# Allegro board ZDRK-36-DE3-A02-20190729.brd (continued)
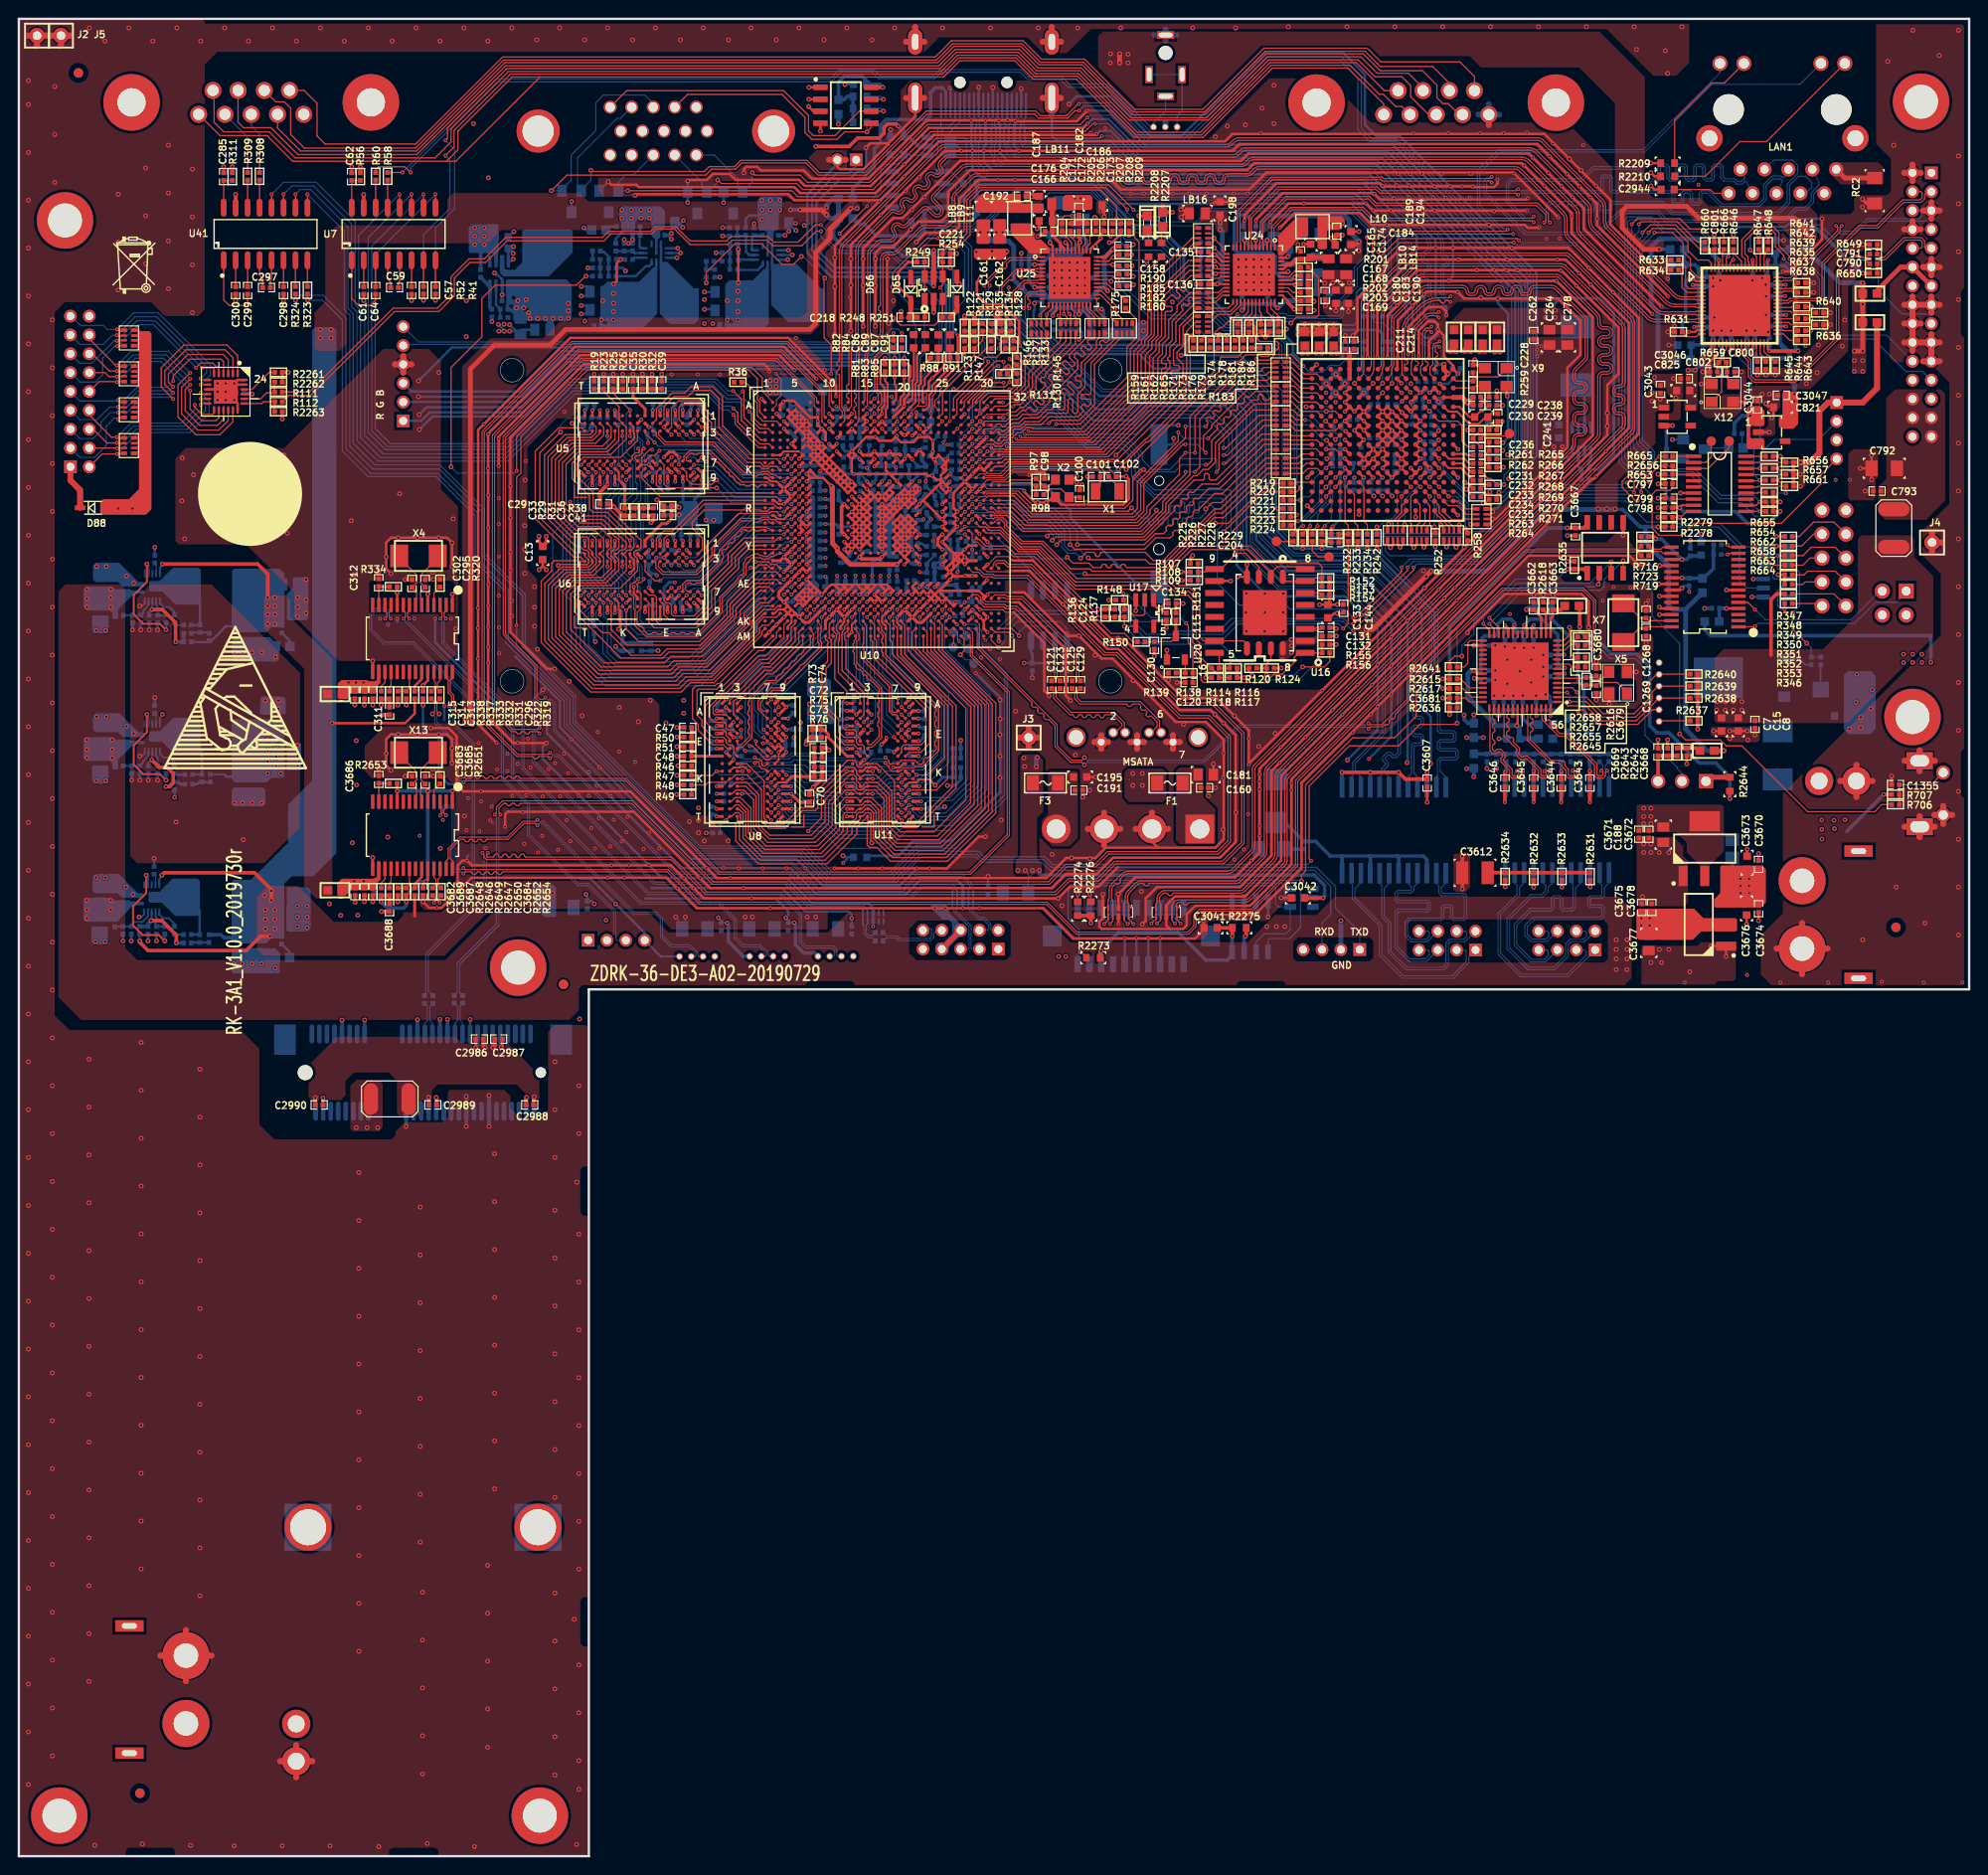
[diagram p0: board, top side]
## Routing (per net, layer and track width the routed paths; a pad name or vN(x,y) marks a point on that pad's centre or on a via; arc(x,y) is an arc through that point) (continued)
GND_EARTH: length 4.5
  TOP w0.508: J115.10 193.82,178.1 RC2.1
VBUS_DET: length 25.8
  TOP w0.127: U1.14 163.96,129.01 164.59,129.64 v2(164.59,130.4)
  BOTTOM w0.127: JP1.2 176.53,114.91 176.02,115.42 176.02,115.54 172.59,118.97 172.59,126.09 171.58,127.1 168.91,127.1 167.26,128.75 166.24,128.75 v2(164.59,130.4)
VCC33_P: length 7.9
  TOP w0.508: LB126.2 197.23,166.14 199.74,168.65 JE1.12 JE1.13
VDD12A: length 16.6
  TOP w0.254: U1.53 v1(161.08,121.02) ; U1.45 v1(157.08,121.02) ; U1.48 v1(158.58,121.02) ; U1.56 v1(162.58,121.02)
  L3-SIG w0.381: v1(157.08,121.02) v1(158.58,121.02) 159.46,121.89 160.78,121.89 161.08,121.59 v1(161.08,121.02)
  BOTTOM w0.305: C3647.2 161.04,121.07 v1(161.08,121.02) ; v1(158.58,121.02) 158.62,121.06 C3649.2
  BOTTOM w0.381: C1319.2 162.56,121.04 v1(162.58,121.02) ; C1319.2 C3647.2 ; C1319.2 163.6,121.62 LB133.2 ; C3649.2 C3648.2 157.61,121.4 157.23,121.02 v1(157.08,121.02) 156.97,121.02 156.59,121.4 C3650.2
VDD12CORE: length 43.1
  TOP w0.203: U1.8 164,126.01 v1(164.11,126.11) ; U1.11 v1(164.03,127.51)
  TOP w0.254: v1(158.75,130.66) 158.58,130.49 U1.23 ; v1(159.77,130.66) 160.08,130.34 U1.20 ; U1.36 154.76,125.51 v2(154.43,125.83) ; U1.30 v2(154.44,128.51) ; U1.49 159.08,120.07 v2(159,119.99)
  BOTTOM w0.381: C3658.2 164.01,127.48 v1(164.03,127.51) ; C3658.2 163.35,129.62 161.67,131.29 160.4,131.29 v1(159.77,130.66) C3655.2 C3660.2 v1(158.75,130.66) 158.75,130.91 158.37,131.29 157.48,131.29 156.97,130.78 156.97,129.77 156.72,129.51 155.57,129.51 155.27,129.21 C3656.2 ; C3658.2 C3659.2 164.01,126.21 v1(164.11,126.11) ; v2(154.44,128.51) 154.45,128.5 C3656.2 ; v2(154.43,125.83) C3657.2 155.17,127 155.27,127.1 C3656.2
  BOTTOM w0.508: v2(154.43,125.83) 154.18,125.83 153.8,125.45 153.8,123.04 156.84,119.99 v2(159,119.99) 159.26,119.74 159.26,118.66 C3664.2 LB135.2
VDD12PLL: length 3.6
  TOP w0.254: U1.50 v1(159.58,121.02)
  BOTTOM w0.305: C3661.2 159.58,121.56 v1(159.58,121.02)
  BOTTOM w0.381: LB138.1 160.27,120.12 159.58,120.81 v1(159.58,121.02)
VDD12USBPLL: length 4.8
  TOP w0.254: U1.17 161.58,131.48 C3662.2
  TOP w0.381: C3662.2 160.05,132.28 v2(160.02,132.31)
  BOTTOM w0.381: LB136.2 160.27,132.56 v2(160.02,132.31)
VDD33A: length 4.1
  TOP w0.254: C3663.2 162.81,131.55 162.58,131.32 U1.15
  TOP w0.381: C3663.2 163.68,132.28 LB137.1
VDDVARIO: length 87.6
  TOP w0.254: v1(160.78,130.66) 160.58,130.46 U1.19 ; U1.24 158.08,130.31 v1(157.73,130.66) ; U1.37 v2(154.49,125.01) ; U1.7 v1(164.08,125.51)
  TOP w0.381: U1494.8 166.47,141.35 166.09,140.97 C3667.2 v2(164.34,140.97) ; R2640.2 R2639.2 R2638.2 R2637.2 v2(178.21,119.61) ; R2636.2 v2(151.87,121.16)
  L3-SIG w0.381: v2(178.21,119.61) 177.7,120.12 176.28,120.12 175.56,119.41 173.05,119.41 171.45,121.01 167.51,121.01 166.37,122.15 166.37,124.31 165.61,125.07 164.52,125.07 v1(164.08,125.51) ; 163.07,125.89 163.07,129.39 161.8,130.66 v1(160.78,130.66) 160.02,129.9 158.37,129.9 157.73,130.53 v1(157.73,130.66) 155.32,128.24 155.32,125.83 v2(154.49,125.01) 153.42,123.93 153.42,122.15 v2(154.43,121.13) 151.89,121.13 v2(151.87,121.16)
  BOTTOM w0.254: C3654.2 154.68,124.82 v2(154.49,125.01)
  BOTTOM w0.305: C3651.2 v1(157.73,130.66) ; C3652.2 v1(160.78,130.66)
  BOTTOM w0.381: v2(154.43,121.13) LB134.2 153.8,120.24 153.42,120.62 v2(153.42,121.11) ; v2(151.87,121.16) 151.87,130.53 162.31,140.97 v2(164.34,140.97) ; C3653.2 163.78,125.2 v1(164.08,125.51)
AC0_MICBIAS1: length 2.5
  TOP w0.203: U10.D19 v1(94.01,152.29)
  BOTTOM w0.102: v1(94.01,152.29) 93.59,151.87 93.01,151.87 92.76,151.61 92.61,151.61 C391.1
AC0_MICBIAS2: length 1.5
  TOP w0.203: U10.C19 v1(94.01,153.09)
  BOTTOM w0.254: v1(94.01,153.09) 94.11,153.19 C388.1
AC0_VREF: length 3.9
  TOP w0.305: U10.D21 v1(95.61,151.49)
  BOTTOM w0.254: C368.1 96.8,152.23 96.8,151.21 96.39,150.8 96.15,150.8 ; 96.15,150.8 96.15,150.96 v1(95.61,151.49) ; 96.15,150.8 96.15,150.36 C374.1
AUX+: length 26.6
  TOP w0.114: U66.26 183.24,159.97 183.17,159.9 183.17,159.45 183.85,158.78 183.85,157.12 184.27,156.69 188.45,156.69 192.91,161.16 192.91,168.22 193.53,168.84 193.53,169 193.51,169.02 193.51,169.18 193.68,169.34 193.84,169.34 193.86,169.32 194.02,169.32 194.35,169.66 194.73,169.66 194.85,169.77 194.85,169.79 194.96,169.9 195.19,169.9 195.3,169.79 195.3,169.77 195.42,169.66 196.08,169.66 C791.1
AUX-: length 26.6
  TOP w0.114: C790.2 196.06,169.39 194.46,169.39 193.18,168.11 193.18,161.05 188.56,156.43 184.16,156.43 183.58,157.01 183.58,158.67 182.9,159.34 182.9,159.9 182.84,159.97 U66.25
BACK1: length 2.1
  TOP w0.127: U1492.20 183.33,148.56 R655.2
BACK2: length 4.2
  TOP w0.127: R656.2 187.54,147.92 U1492.19
BACK3: length 4.2
  TOP w0.127: R657.2 187.51,146.62 U1492.17
BACK4: length 2.1
  TOP w0.127: U1492.14 184.57,144.67 184.66,144.75 R658.2
BOOT_SEL0: length 2.1
  TOP w0.127: U10.J27 v1(100.41,148.29)
  BOTTOM w0.102: R387.2 R386.2 100.15,148.03 v1(100.41,148.29)
BOOT_SEL1: length 29.7
  TOP w0.127: R162.2 R161.2 R159.2 124.33,159.77 124.33,155.93 116.64,148.23 104.65,148.23 104.31,147.89 U10.J32
BOOTROM_SEL: length 38.8
  TOP w0.127: v2(116.71,147.17) 119.63,150.09 119.89,150.09 127.51,157.71 127.51,158.98 127.63,159.11 129.39,159.11 129.97,159.69 R176.2 R179.2 R183.1 ; v1(100.41,146.69) 100.01,146.29 U10.L27
  BOTTOM w0.127: v2(116.71,147.17) 116.59,147.04 103,147.04 102.23,146.28 100.83,146.28 v1(100.41,146.69)
CORE_FB: length 2.7
  BOTTOM w0.254: R66.2 R70.1 R71.1 R67.2
CPU_FB: length 3.2
  BOTTOM w0.254: R53.1 61.79,170.27 62.09,170.27 62.6,169.77 R42.2 R43.1 R44.2
CVBS_OUT: length 47.5
  TOP w0.203: v1(93.22,152.25) 93.17,152.25 U10.D18
  BOTTOM w0.203: v1(93.22,152.25) 93.22,152.63 92.84,153.01 R396.1 93.12,153.37 93.32,153.57 93.32,154.41 94.01,155.09 95.88,155.09 98.81,158.01 98.81,166.98 97.71,168.07 86.54,168.07 84.2,170.41 84.2,176 86.84,178.64 88.11,178.64 88.87,179.4 J135.1
DDC_SCL_A: length 15.7
  BOTTOM w0.114: J49.15 99.89,184.06 98.86,183.04 U75.1
  BOTTOM w0.127: U58.6 99.06,177.52 99.44,177.14 99.44,176.38 99.95,175.87 R1121.2 100.97,176.61 100.97,178.41 100.58,178.79 100.58,182.22 100.4,182.41 U75.1
DDC_SCL_B: length 33.4
  TOP w0.127: R2276.2 113.79,101.96 v2(113.66,102.08)
  BOTTOM w0.127: J130.17 113.63,102.05 v2(113.66,102.08) 114.58,103 133.07,103 133.4,102.67 133.4,101.07 133.72,100.75 U108.1 134.94,98.34 134.49,97.89 132.21,97.89 131.32,97 U107.6
DDC_SDA_A: length 11.8
  BOTTOM w0.127: R1120.2 98.96,178.79 U58.5 98.08,179.31 98.86,180.09 U75.3 98.03,180.51 97.92,180.62 97.92,183.11 98.17,183.36 98.55,183.36 99.39,184.2 J49.16
DDC_SDA_B: length 35.9
  TOP w0.127: R2274.2 v2(112.4,102.08)
  BOTTOM w0.127: U107.5 132.59,97.26 132.72,97.38 134.87,97.38 136.04,98.55 136.04,102.52 135.92,102.65 U108.3 134.66,102.65 134.04,103.28 113.59,103.28 v2(112.4,102.08) 112.38,102.07 J130.19
DDC_VGA_SCL: length 35.6
  TOP w0.127: CN3.15 64.52,187.38 81.18,187.38 83.82,184.73 83.82,183.11 84.33,182.6 86.61,182.6 89.2,185.19 U27.6 v2(91.77,185.19)
  BOTTOM w0.127: R160.2 91.47,185.5 v2(91.77,185.19)
DDC_VGA_SDA: length 26.3
  TOP w0.127: CN3.12 70.97,186.97 81,186.97 83.44,184.53 83.44,182.93 84.15,182.22 86.87,182.22 87.66,183.01 v2(90.02,183.01) 90.48,183.47 U27.5
  BOTTOM w0.127: R2212.2 v2(90.02,183.01)
DDR0_A0: length 46.8
  TOP w0.127: U10.Y6 v1(82.81,138.69) ; v1(62.47,136.89) U6.N3 ; v1(62.47,150.73) U5.N3
  BOTTOM w0.127: v1(82.81,138.69) 82.41,138.29 80.45,138.29 74.42,132.25 74.42,131.53 72.52,129.63 65.74,129.63 64.08,131.29 64.08,132.17 63.6,132.64 63.6,133.33 63.28,133.66 63.28,135.02 62.47,135.83 v1(62.47,136.89) 62.47,138.99 62.86,139.39 62.86,140.05 62.65,140.26 62.65,143.73 64.08,145.16 64.08,146.01 63.73,146.36 63.73,147.05 63.28,147.5 63.28,148.13 62.47,148.93 v1(62.47,150.73)
DDR0_A1: length 49.9
  TOP w0.127: v1(61.27,133.82) U6.P7 ; v1(61.27,147.66) U5.P7 ; U10.AC5 v1(82.01,136.29)
  BOTTOM w0.127: v1(61.27,147.66) 61.66,147.27 61.66,146.58 60.96,145.88 60.69,145.88 60.47,145.65 60.47,141.29 59.27,140.08 59.27,136.38 61.27,134.37 v1(61.27,133.82) 61.27,133.58 61.68,133.17 61.68,132.52 61.26,132.1 61.26,131.44 61.99,130.72 61.99,127.68 63.32,126.35 71.39,126.35 75.94,130.9 75.94,131.59 81.03,136.68 81.4,136.68 81.78,136.29 v1(82.01,136.29)
DDR0_A2: length 60.3
  TOP w0.127: U10.AJ1 79.06,131.89 78.11,130.94 78.11,130.16 73.45,125.5 70.51,125.5 69.7,124.69 61.17,124.69 56.59,129.28 56.59,134.56 56.61,134.57 56.61,134.75 58.11,136.25 60.78,136.25 61.67,137.14 U6.P3 61.67,137.69 61.26,138.09 61.26,139.81 60.71,140.36 58.91,140.36 56.56,142.71 56.56,148.36 58.46,150.27 60.91,150.27 61.67,151.03 U5.P3
DDR0_A3: length 62.6
  TOP w0.127: U10.AH2 78.92,132.69 77.57,131.34 77.57,130.74 73.05,126.21 70.05,126.21 69.29,125.46 61.49,125.46 57.35,129.59 57.35,134.42 58.63,135.69 61.85,135.69 62.86,136.71 62.86,137.58 62.47,137.98 U6.N2 62.47,138.49 62.86,138.88 62.86,139.86 61.62,141.1 59.34,141.1 57.32,143.11 57.32,148.04 58.94,149.66 61.96,149.66 62.86,150.56 62.86,151.67 U5.N2
DDR0_A4: length 48.7
  TOP w0.127: U10.AB6 v1(82.81,137.09) ; v1(62.07,146.86) 61.67,147.26 U5.P8 ; v1(62.07,133.02) U6.P8
  BOTTOM w0.127: v1(82.81,137.09) 82.41,136.69 81.81,136.69 81.52,136.97 80.78,136.97 75.56,131.76 75.56,131.06 71.26,126.75 63.48,126.75 62.46,127.77 62.46,131.17 62.06,131.57 62.06,133.01 v1(62.07,133.02) 62.07,133.2 61.68,133.59 61.68,134.51 59.65,136.54 59.65,139.92 60.95,141.22 60.95,144.89 61.28,145.22 61.28,145.76 62.07,146.55 v1(62.07,146.86)
DDR0_A5: length 62.9
  TOP w0.127: U5.P2 62.08,151.66 62.08,150.8 61.24,149.96 58.69,149.96 56.94,148.21 56.94,142.9 59.12,140.72 61.14,140.72 62.08,139.78 62.08,138.63 U6.P2 62.08,137.81 62.08,137.01 61.04,135.97 58.37,135.97 56.97,134.58 56.97,129.43 61.33,125.07 69.52,125.07 70.33,125.88 73.33,125.88 77.85,130.41 77.85,131.09 79.06,132.3 80.18,132.3 80.57,132.69 U10.AH3
DDR0_A6: length 48.7
  TOP w0.127: v1(61.27,146.86) 60.87,147.26 U5.R8 ; U10.AD4 v1(81.21,135.49) ; v1(61.27,133.02) U6.R8
  BOTTOM w0.127: v1(61.27,146.86) 61.27,146.7 60.76,146.19 60.5,146.19 60.09,145.78 60.09,141.44 58.88,140.24 58.88,136.21 60.86,134.23 60.86,133.56 61.27,133.16 v1(61.27,133.02) 61.27,132.73 60.48,131.93 60.48,128.54 63.07,125.95 71.53,125.95 76.32,130.74 76.32,131.47 80.35,135.49 v1(81.21,135.49)
DDR0_A7: length 63.7
  TOP w0.127: U5.R2 61.28,151.66 61.28,151.08 60.76,150.57 58.23,150.57 56.18,148.52 56.18,142.5 58.67,140 60.25,140 60.48,139.78 60.48,138.82 60.87,138.42 U6.R2 60.87,138.04 61.28,137.63 61.28,137.19 60.62,136.53 57.85,136.53 56.21,134.89 56.21,129.12 61.01,124.31 69.95,124.31 70.78,125.15 73.52,125.15 78.36,129.98 78.36,130.78 79.07,131.49 80.41,131.49 U10.AJ3
DDR0_A8: length 50.8
  TOP w0.127: U10.AE5 v1(82.01,134.69) ; v1(60.47,133.02) U6.T8 ; v1(60.47,146.86) 60.07,147.26 U5.T8
  BOTTOM w0.127: v1(60.47,146.86) 60.23,146.86 59.33,145.96 59.33,141.76 58.12,140.56 58.12,135.89 60.05,133.96 60.05,133.43 v1(60.47,133.02) 59.59,132.14 59.59,128.27 62.71,125.16 71.82,125.16 77.08,130.42 77.08,131.09 80.69,134.69 v1(82.01,134.69)
DDR0_A9: length 61.8
  TOP w0.127: U5.R3 60.87,151.12 60.62,150.88 57.99,150.88 55.8,148.68 55.8,142.31 59.07,139.04 59.54,139.04 59.96,138.61 60.26,138.61 60.49,138.38 60.49,138 60.87,137.62 U6.R3 60.87,137.2 60.48,136.81 60.32,136.81 60.32,136.81 59.82,136.81 59.82,136.81 57.67,136.81 57.43,136.56 57.34,136.56 55.83,135.05 55.83,128.96 60.86,123.93 70.15,123.93 71.06,124.84 73.65,124.84 78.62,129.81 78.62,130.33 78.92,130.63 79.56,130.63 U10.AK2
DDR0_A10: length 40.3
  TOP w0.127: v1(64.47,133.82) U6.L7 ; v1(64.47,147.66) U5.L7 ; U10.Y4 v1(81.21,138.69)
  BOTTOM w0.127: v1(81.21,138.69) 80.31,138.69 74.04,132.42 74.04,131.69 72.36,130.01 65.93,130.01 65,130.94 65,133.29 v1(64.47,133.82) 64.47,135.46 63.66,136.26 63.66,137.09 64.05,137.47 64.05,143.96 64.87,144.79 64.87,147.26 v1(64.47,147.66)
DDR0_A11: length 52.1
  TOP w0.127: U6.R7 v1(60.47,133.82) ; U10.AD6 v1(82.81,135.49) ; U5.R7 v1(60.47,147.66)
  BOTTOM w0.127: v1(60.47,147.66) 60.86,147.27 60.86,146.7 60.63,146.47 60.28,146.47 59.71,145.9 59.71,141.6 58.5,140.4 58.5,136.05 60.47,134.08 v1(60.47,133.82) 60.47,133.55 60.86,133.16 60.86,132.85 60.04,132.04 60.04,128.41 62.9,125.55 71.67,125.55 76.7,130.58 76.7,131.34 80.45,135.08 82.4,135.08 v1(82.81,135.49)
DDR0_A12: length 48.5
  TOP w0.127: v1(62.07,133.82) U6.N7 ; v1(62.07,147.66) U5.N7 ; U10.AA6 v1(82.81,137.89)
  BOTTOM w0.127: v1(82.81,137.89) 82.41,137.49 81.77,137.49 81.53,137.25 80.51,137.25 75.18,131.92 75.18,131.21 71.14,127.18 63.67,127.18 62.88,127.97 62.88,132.11 62.46,132.52 62.46,133.23 62.07,133.63 v1(62.07,133.82) 62.07,134.66 60.46,136.27 60.46,139.98 61.4,140.92 61.4,144.59 62.08,145.26 62.08,145.98 62.46,146.37 62.46,147.27 v1(62.07,147.66)
DDR0_A13: length 62.2
  TOP w0.127: U5.T3 59.75,151.59 57.3,151.59 54.81,149.1 54.81,141.96 58.9,137.87 59.62,137.87 U6.T3 59.41,137.42 59.33,137.49 56.82,137.49 56.55,137.22 56.55,136.41 55.45,135.3 55.45,128.8 60.7,123.55 70.31,123.55 71.29,124.54 73.78,124.54 78.87,129.63 78.87,129.77 78.87,129.95 U10.AL1
DDR0_A14: length 44.7
  TOP w0.127: U6.T7 v1(59.66,133.81) 59.28,133.43 59.28,132.49 61.92,129.85 62.6,129.85 64.99,127.46 68.12,127.46 68.78,128.11 72.34,128.11 75.79,131.57 75.79,132.68 78.2,135.09 U10.AE2 ; U5.T7 v1(59.67,147.66)
  BOTTOM w0.127: v1(59.66,133.81) 57.74,135.73 57.74,140.71 58.95,141.92 58.95,146.94 v1(59.67,147.66)
DDR0_A15: length 43
  TOP w0.127: v1(62.87,133.82) U6.M7 ; U5.M7 63.27,148.06 v1(62.87,147.66) ; U10.AA5 v1(82.01,137.89)
  BOTTOM w0.127: v1(82.01,137.89) 81.79,137.89 81.4,137.5 80.21,137.5 74.8,132.09 74.8,131.37 72.68,129.25 65.53,129.25 63.66,131.12 63.66,132.12 63.26,132.52 63.26,133.27 62.87,133.67 v1(62.87,133.82) 62.87,134.91 62.08,135.7 62.08,140.07 62.27,140.26 62.27,143.95 63.66,145.35 63.66,145.96 63.26,146.36 63.26,147.08 62.87,147.47 v1(62.87,147.66)
DDR0_BA0: length 61.7
  TOP w0.127: U10.AG1 78.58,133.49 76.96,131.88 76.96,130.99 72.83,126.86 69.5,126.86 68.86,126.22 61.8,126.22 58.11,129.91 58.11,134.11 59.14,135.13 62.31,135.13 63.68,136.5 63.68,137.6 63.27,138 U6.M2 63.46,138.22 63.85,138.61 64.2,138.61 64.48,138.89 64.48,139.38 62,141.86 59.79,141.86 58.08,143.56 58.08,147.71 59.41,149.05 62.48,149.05 63.68,150.25 63.68,151.66 U5.M2
DDR0_BA1: length 41.5
  TOP w0.127: v1(62.87,146.86) 62.47,147.26 U5.N8 ; U6.N8 v1(62.87,133.02) 62.87,130.19 64.53,128.52 72.32,128.52 75.49,131.69 75.49,132.92 78.05,135.49 80.42,135.49 U10.AE3
  BOTTOM w0.127: v1(62.87,133.02) 62.87,133.25 62.46,133.65 62.46,134.82 61.28,136.01 61.28,140.04 61.84,140.59 61.84,144.24 62.87,145.27 v1(62.87,146.86)
DDR0_BA2: length 61.8
  TOP w0.127: U5.M3 63.27,151.26 63.27,150.35 62.27,149.35 59.18,149.35 57.7,147.87 57.7,143.36 59.58,141.48 61.82,141.48 63.32,139.98 63.43,139.98 63.69,139.71 63.69,138.89 63.41,138.61 63.09,138.61 62.88,138.4 62.88,137.99 63.27,137.6 U6.M3 63.27,136.61 62.08,135.41 58.89,135.41 57.73,134.26 57.73,129.75 61.65,125.84 69.14,125.84 69.85,126.54 72.95,126.54 77.27,130.86 77.27,131.6 78.7,133.03 79.55,133.03 U10.AG2
DDR0_CAS_N: length 40.6
  TOP w0.127: U10.AC3 80.41,137.1 79.83,137.1 79.57,137.37 v1(78.19,137.37) ; U5.K3 v1(64.87,150.73) ; U6.K3 v1(64.87,136.89)
  BOTTOM w0.127: v1(78.19,137.37) 77.6,137.37 73.18,132.94 73.18,132.04 71.91,130.77 66.36,130.77 65.95,131.18 65.95,134.61 65.35,135.22 65.35,136.41 v1(64.87,136.89) 64.87,138.68 65.51,139.32 65.51,143.38 66.01,143.89 66.01,145.92 65.89,146.05 65.89,148.21 65.35,148.75 65.35,150.25 v1(64.87,150.73)
DDR0_CKE: length 38.9
  TOP w0.127: U10.AD3 80.41,136.3 78.3,136.3 75.16,133.16 75.16,131.83 72.24,128.91 65.77,128.91 64.47,130.21 v1(64.47,132.22) U6.K9 ; v1(64.47,146.06) U5.K9
  BOTTOM w0.127: v1(64.47,132.22) 64.06,132.63 64.06,135.32 63.28,136.1 63.28,137.22 63.68,137.61 63.68,140.34 63.66,140.36 63.66,144.14 64.47,144.95 v1(64.47,146.06)
DDR0_CLK0_N: length 46.2
  TOP w0.107: U6.K7 64.87,133.99 65.26,133.59 65.26,132.38
  TOP w0.114: U5.K7 65.12,148.32 65.12,148.64 65.42,148.94 65.77,148.94 65.85,149.02 65.85,149.28 v1(65.74,149.39) ; v1(65.74,135.55) 65.35,135.16 65.2,135.16 64.87,134.83 U6.K7 ; U10.AA3 80.09,137.95 79.86,137.95 79.58,137.68 78.88,137.68 78.76,137.8 77.85,137.8 77.19,137.14 77.19,136.03 74.67,133.51 74.67,132.02 72.09,129.45 66.59,129.45 65.37,130.67 65.37,132.27 65.26,132.38
  BOTTOM w0.114: v1(65.74,135.55) 65.9,135.7 65.9,136.79 65.38,137.31 65.38,138.3 66.02,138.94 66.02,143.17 66.48,143.63 66.48,145.92 66.2,146.2 66.2,148.53 65.84,148.9 65.84,149.29 v1(65.74,149.39) 65.96,149.61 65.96,150.04 65.38,150.62 65.38,151.1 R410.2
DDR0_CLK0_P: length 46.1
  TOP w0.114: v1(66.32,149.39) 66.14,149.2 66.14,148.9 65.89,148.65 65.54,148.65 65.42,148.52 65.42,148.32 U5.J7 ; v1(66.32,135.55) 66.32,135.44 66.05,135.17 65.75,135.17 65.62,135.04 65.62,134.89 65.67,134.84 U6.J7 65.78,134.22 66.05,133.95 66.05,132.44 65.64,132.03 65.64,130.78 65.89,130.53 66.1,130.53 66.36,130.27 66.36,130.06 66.7,129.72 67.16,129.72 67.29,129.85 67.65,129.85 67.79,129.72 68.15,129.72 68.28,129.85 68.64,129.85 68.78,129.72 69.14,129.72 69.27,129.85 69.63,129.85 69.77,129.72 70.13,129.72 70.26,129.85 70.63,129.85 70.76,129.72 71.12,129.72 71.26,129.85 71.62,129.85 71.75,129.72 71.98,129.72 74.4,132.13 74.4,133.62 76.32,135.54 76.32,135.71 76.59,135.98 76.75,135.98 76.92,136.14 76.92,137.25 77.1,137.43 77.1,137.62 77.36,137.88 77.55,137.88 77.74,138.07 77.97,138.07 78.12,138.21 78.47,138.21 78.62,138.07 78.87,138.07 78.99,137.94 79.47,137.94 79.82,138.29 U10.AA2
  BOTTOM w0.114: R410.1 65.65,151.37 65.65,150.73 66.23,150.15 66.23,149.48 v1(66.32,149.39) 66.23,149.39 66.1,149.26 66.1,149.01 66.47,148.64 66.47,146.31 66.75,146.03 66.75,143.52 66.29,143.06 66.29,138.83 65.64,138.19 65.64,137.42 66.17,136.9 66.17,135.7 v1(66.32,135.55)
DDR0_CS_N: length 66.6
  TOP w0.127: U10.AF1 78.67,134.29 76.56,132.18 76.56,131.27 72.62,127.33 69.22,127.33 68.53,126.64 62.12,126.64 58.57,130.19 58.57,133.93 59.49,134.85 62.87,134.85 64.48,136.46 64.48,137.81 U6.L2 64.22,138.22 64.62,138.61 65,138.61 65.28,138.89 65.28,139.8 62.46,142.62 60.93,142.62 60.58,142.98 60.58,144.35 58.72,146.2 58.72,147.82 59.65,148.74 62.81,148.74 64.48,150.41 64.48,151.66 U5.L2 63.71,152.42 63.71,153.81 62.08,155.45 R23.1 R19.2
DDR0_DM0: length 14.5
  TOP w0.127: v1(69.27,148.46) U5.E7 ; U10.L4 v1(81.21,145.89)
  BOTTOM w0.127: v1(81.21,145.89) 76.71,145.89 73.73,148.87 69.68,148.87 v1(69.27,148.46)
DDR0_DM1: length 14.8
  TOP w0.127: U5.D3 69.67,151.26 v1(70.07,150.86) ; U10.J5 v1(82.01,147.49)
  BOTTOM w0.127: v1(70.07,150.86) 70.89,150.05 74.26,150.05 77.21,147.09 81.61,147.09 v1(82.01,147.49)
DDR0_DM2: length 16.9
  TOP w0.127: U6.E7 68.87,134.22 v1(69.27,134.62) ; U10.V5 v1(82.01,140.29)
  BOTTOM w0.127: v1(82.01,140.29) 81.61,140.69 78.24,140.69 72.48,134.93 71.1,134.93 70.39,134.22 69.67,134.22 v1(69.27,134.62)
DDR0_DM3: length 16.7
  TOP w0.127: U10.R6 v1(82.81,142.69) ; v1(70.07,137.02) U6.D3
  BOTTOM w0.127: v1(82.81,142.69) 82.41,142.29 77.65,142.29 71.85,136.49 70.6,136.49 v1(70.07,137.02)
DDR0_DQ0: length 17.7
  TOP w0.127: U10.J2 79.78,147.89 79.43,147.54 79.05,147.54 78.67,147.91 77.33,147.91 73.91,151.33 73.91,152.51 72.87,153.54 72.87,154.17 72.58,154.46 70.05,154.46 69.27,153.69 69.27,151.66 U5.E3
DDR0_DQ1: length 17.8
  TOP w0.127: U5.F7 68.47,147.66 68.47,145.62 68.87,145.22 v2(74.06,145.22) ; U10.P5 v1(82.01,143.49)
  BOTTOM w0.127: v2(74.06,145.22) 75.59,143.69 80.52,143.69 80.72,143.89 81.38,143.89 81.78,143.49 v1(82.01,143.49)
DDR0_DQ2: length 20
  TOP w0.127: U5.F2 68.47,152.46 68.47,153.83 69.56,154.92 71.03,154.92 71.68,155.57 73.38,155.57 74.31,154.65 74.31,151.57 77.58,148.3 80.41,148.3 U10.J3
DDR0_DQ3: length 14.6
  TOP w0.127: U5.F8 67.67,146.86 67.67,145.53 68.51,144.69 U10.N2
DDR0_DQ4: length 18.1
  TOP w0.127: U5.H3 66.47,151.05 v1(67.47,150.04) ; U10.K5 v1(82.01,146.69)
  BOTTOM w0.127: v1(67.47,150.04) 67.88,149.64 74.1,149.64 77.04,146.69 v1(82.01,146.69)
DDR0_DQ5: length 16.9
  TOP w0.127: U10.P3 80.41,144.3 68.06,144.3 66.06,146.3 66.06,146.86 U5.H8
DDR0_DQ6: length 19
  TOP w0.127: U5.G2 67.27,152.07 67.67,152.47 67.67,153.61 69.37,155.31 70.67,155.31 71.32,155.96 73.63,155.96 74.69,154.9 74.69,151.83 77.82,148.69 U10.H1
DDR0_DQ7: length 18.8
  TOP w0.127: v1(67.98,149.15) 67.47,148.65 67.05,148.65 U5.H7 ; U10.K6 v1(82.81,146.69)
  BOTTOM w0.127: v1(82.81,146.69) 82.41,146.29 76.88,146.29 73.91,149.26 68.08,149.26 v1(67.98,149.15)
DDR0_DQ8: length 16.3
  TOP w0.127: U5.D7 v1(69.27,147.66) ; U10.M6 v1(82.81,145.09)
  BOTTOM w0.127: v1(82.81,145.09) 82.41,144.69 81.78,144.69 81.51,144.42 80.7,144.42 80.5,144.62 76.19,144.62 73.77,147.04 72.25,147.04 72.03,147.26 69.67,147.26 v1(69.27,147.66)
DDR0_DQ9: length 12.9
  TOP w0.127: U5.C3 70.47,151.26 v1(70.87,150.86) ; U10.J4 v1(81.21,147.49)
  BOTTOM w0.127: v1(70.87,150.86) 71.29,150.45 74.5,150.45 77.46,147.49 v1(81.21,147.49)
DDR0_DQ10: length 15.3
  TOP w0.127: v2(74.06,146.06) 73.6,145.6 71.41,145.6 70.88,146.13 70.88,146.86 U5.C8 ; U10.N6 v1(82.81,144.29)
  BOTTOM w0.127: v2(74.06,146.06) 75.94,144.17 81.49,144.17 81.75,143.9 82.42,143.9 v1(82.81,144.29)
DDR0_DQ11: length 16.9
  TOP w0.127: U10.K3 80.42,147.49 79.76,147.49 79.54,147.27 78.87,147.27 78.63,147.51 77.09,147.51 73.52,151.08 73.52,152.13 72.49,153.16 72.49,153.91 72.32,154.08 70.37,154.08 70.07,153.78 70.07,152.46 U5.C2
DDR0_DQ12: length 12.9
  TOP w0.127: U10.L6 v1(82.81,145.89) ; U5.A7 v1(72.47,148.46)
  BOTTOM w0.127: v1(82.81,145.89) 82.42,145.5 76.55,145.5 73.58,148.46 v1(72.47,148.46)
DDR0_DQ13: length 12.1
  TOP w0.127: v1(72.47,151.66) U5.A2 ; U10.H5 v1(82.01,148.29)
  BOTTOM w0.127: v1(82.01,148.29) 81.55,148.76 77.4,148.76 74.5,151.66 v1(72.47,151.66)
DDR0_DQ14: length 12.9
  TOP w0.127: U10.M5 v1(82.01,145.09) ; U5.B8 v1(71.67,147.66)
  BOTTOM w0.127: v1(82.01,145.09) 81.79,145.09 81.4,144.7 80.97,144.7 80.61,145.06 76.37,145.06 73.96,147.47 72.58,147.47 72.4,147.66 v1(71.67,147.66)
DDR0_DQ15: length 10.9
  TOP w0.127: U10.H4 v1(81.21,148.29) ; v1(72.47,150.86) 72.07,151.26 U5.A3
  BOTTOM w0.127: v1(72.47,150.86) 74.7,150.86 77.27,148.29 v1(81.21,148.29)
DDR0_DQ16: length 17.5
  TOP w0.127: U10.T5 v1(82.01,141.89) ; v1(68.47,137.02) U6.E3
  BOTTOM w0.127: v1(68.47,137.02) 69.39,136.1 72.01,136.1 77.81,141.89 v1(82.01,141.89)
DDR0_DQ17: length 19
  TOP w0.127: U10.W2 76.95,139.89 75.28,138.22 75.28,137.17 72.85,134.74 72.85,132.82 71.66,131.63 69.48,131.63 69.27,131.84 69.27,132.75 69.02,133 68.74,133 68.49,133.25 68.49,133.8 U6.F7
DDR0_DQ18: length 15.8
  TOP w0.127: U10.R3 80.5,143.09 80.1,143.5 72.77,143.5 69.53,140.26 68.92,140.26 68.47,139.81 68.47,138.62 U6.F2
DDR0_DQ19: length 19.6
  TOP w0.127: U10.W3 80.56,139.89 80.15,139.49 77.12,139.49 75.66,138.03 75.66,137.01 73.19,134.54 73.19,132.69 71.74,131.25 69,131.25 68.46,131.78 68.46,132.8 68.07,133.19 U6.F8
DDR0_DQ20: length 20.3
  TOP w0.127: U10.U5 v1(82.01,141.09) ; v1(68.07,135.36) 67.5,135.36 66.47,136.38 U6.H3
  BOTTOM w0.127: v1(68.07,135.36) 68.4,135.69 72.15,135.69 77.96,141.51 81.6,141.51 v1(82.01,141.09)
DDR0_DQ21: length 22
  TOP w0.127: U10.Y3 80.42,138.7 77.44,138.7 76.42,137.68 76.42,136.7 73.9,134.18 73.9,132.4 71.86,130.36 67.47,130.36 66.87,130.96 66.87,133.02 U6.H8
DDR0_DQ22: length 15
  TOP w0.127: U6.G2 67.67,138.62 67.67,139.85 68.47,140.64 69.37,140.64 72.62,143.89 U10.P1
DDR0_DQ23: length 20.8
  TOP w0.127: U6.H7 66.85,133.84 67.42,133.84 67.67,133.59 67.67,131.05 67.98,130.74 71.7,130.74 73.52,132.56 73.52,134.33 76.04,136.85 76.04,137.85 77.28,139.09 U10.Y1
DDR0_DQ24: length 15
  TOP w0.127: v1(70.07,134.62) U6.D7 ; U10.U4 v1(81.21,141.09)
  BOTTOM w0.127: v1(81.21,141.09) 78.09,141.09 72.3,135.31 70.76,135.31 v1(70.07,134.62)
DDR0_DQ25: length 13.8
  TOP w0.127: v1(70.87,137.02) U6.C3 ; U10.R4 v1(81.21,142.69)
  BOTTOM w0.127: v1(81.21,142.69) 77.4,142.69 72.18,137.47 71.32,137.47 v1(70.87,137.02)
DDR0_DQ26: length 14.2
  TOP w0.127: U10.V4 v1(81.21,140.29) ; v1(70.87,133.82) 70.47,133.42 U6.C8
  BOTTOM w0.127: v1(70.87,133.82) 71.6,134.55 72.64,134.55 78.38,140.29 v1(81.21,140.29)
DDR0_DQ27: length 15.4
  TOP w0.127: U10.P6 v1(82.81,143.49) ; v1(70.87,137.82) U6.C2
  BOTTOM w0.127: v1(70.87,137.82) 71.81,137.82 77.09,143.1 82.42,143.1 v1(82.81,143.49)
DDR0_DQ28: length 13
  TOP w0.127: v1(72.47,133.82) U6.A7 ; U10.W5 v1(82.01,139.49)
  BOTTOM w0.127: v1(72.47,133.82) 72.98,133.82 78.36,139.19 81.13,139.19 81.43,139.49 v1(82.01,139.49)
DDR0_DQ29: length 13.3
  TOP w0.127: U10.R2 79.8,143.09 79.45,142.75 78.82,142.75 78.69,142.88 72.75,142.88 71.48,141.61 71.48,140.97 72.56,139.89 72.56,138.7 U6.A2
DDR0_DQ30: length 15
  TOP w0.127: U10.W6 v1(82.81,139.49) ; v1(71.67,133.82) U6.B8
  BOTTOM w0.127: v1(82.81,139.49) 82.41,139.89 81.25,139.89 81.03,139.66 78.29,139.66 72.84,134.22 72.07,134.22 v1(71.67,133.82)
DDR0_DQ31: length 11.5
  TOP w0.127: U6.A3 73,138.35 73,139.1 76.39,142.49 79.64,142.49 79.83,142.69 80.42,142.69 U10.T3
DDR0_DQS0_N: length 15.2
  TOP w0.114: U5.G3 67.49,151.26 67.64,151.12 67.64,150.73 68.54,149.83 73.62,149.83 76.85,146.6 77.79,146.6 77.94,146.46 78.31,146.46 78.45,146.6 78.94,146.6 79.03,146.69 79.47,146.69 79.87,146.29 U10.L2
DDR0_DQS0_P: length 15.3
  TOP w0.114: U5.F3 67.91,151.1 67.91,150.84 68.65,150.1 73.73,150.1 76.96,146.87 78.83,146.87 78.92,146.95 79.58,146.95 79.89,146.64 80.08,146.64 U10.L3